# KiCad board KES.kicad_pcb (continued)
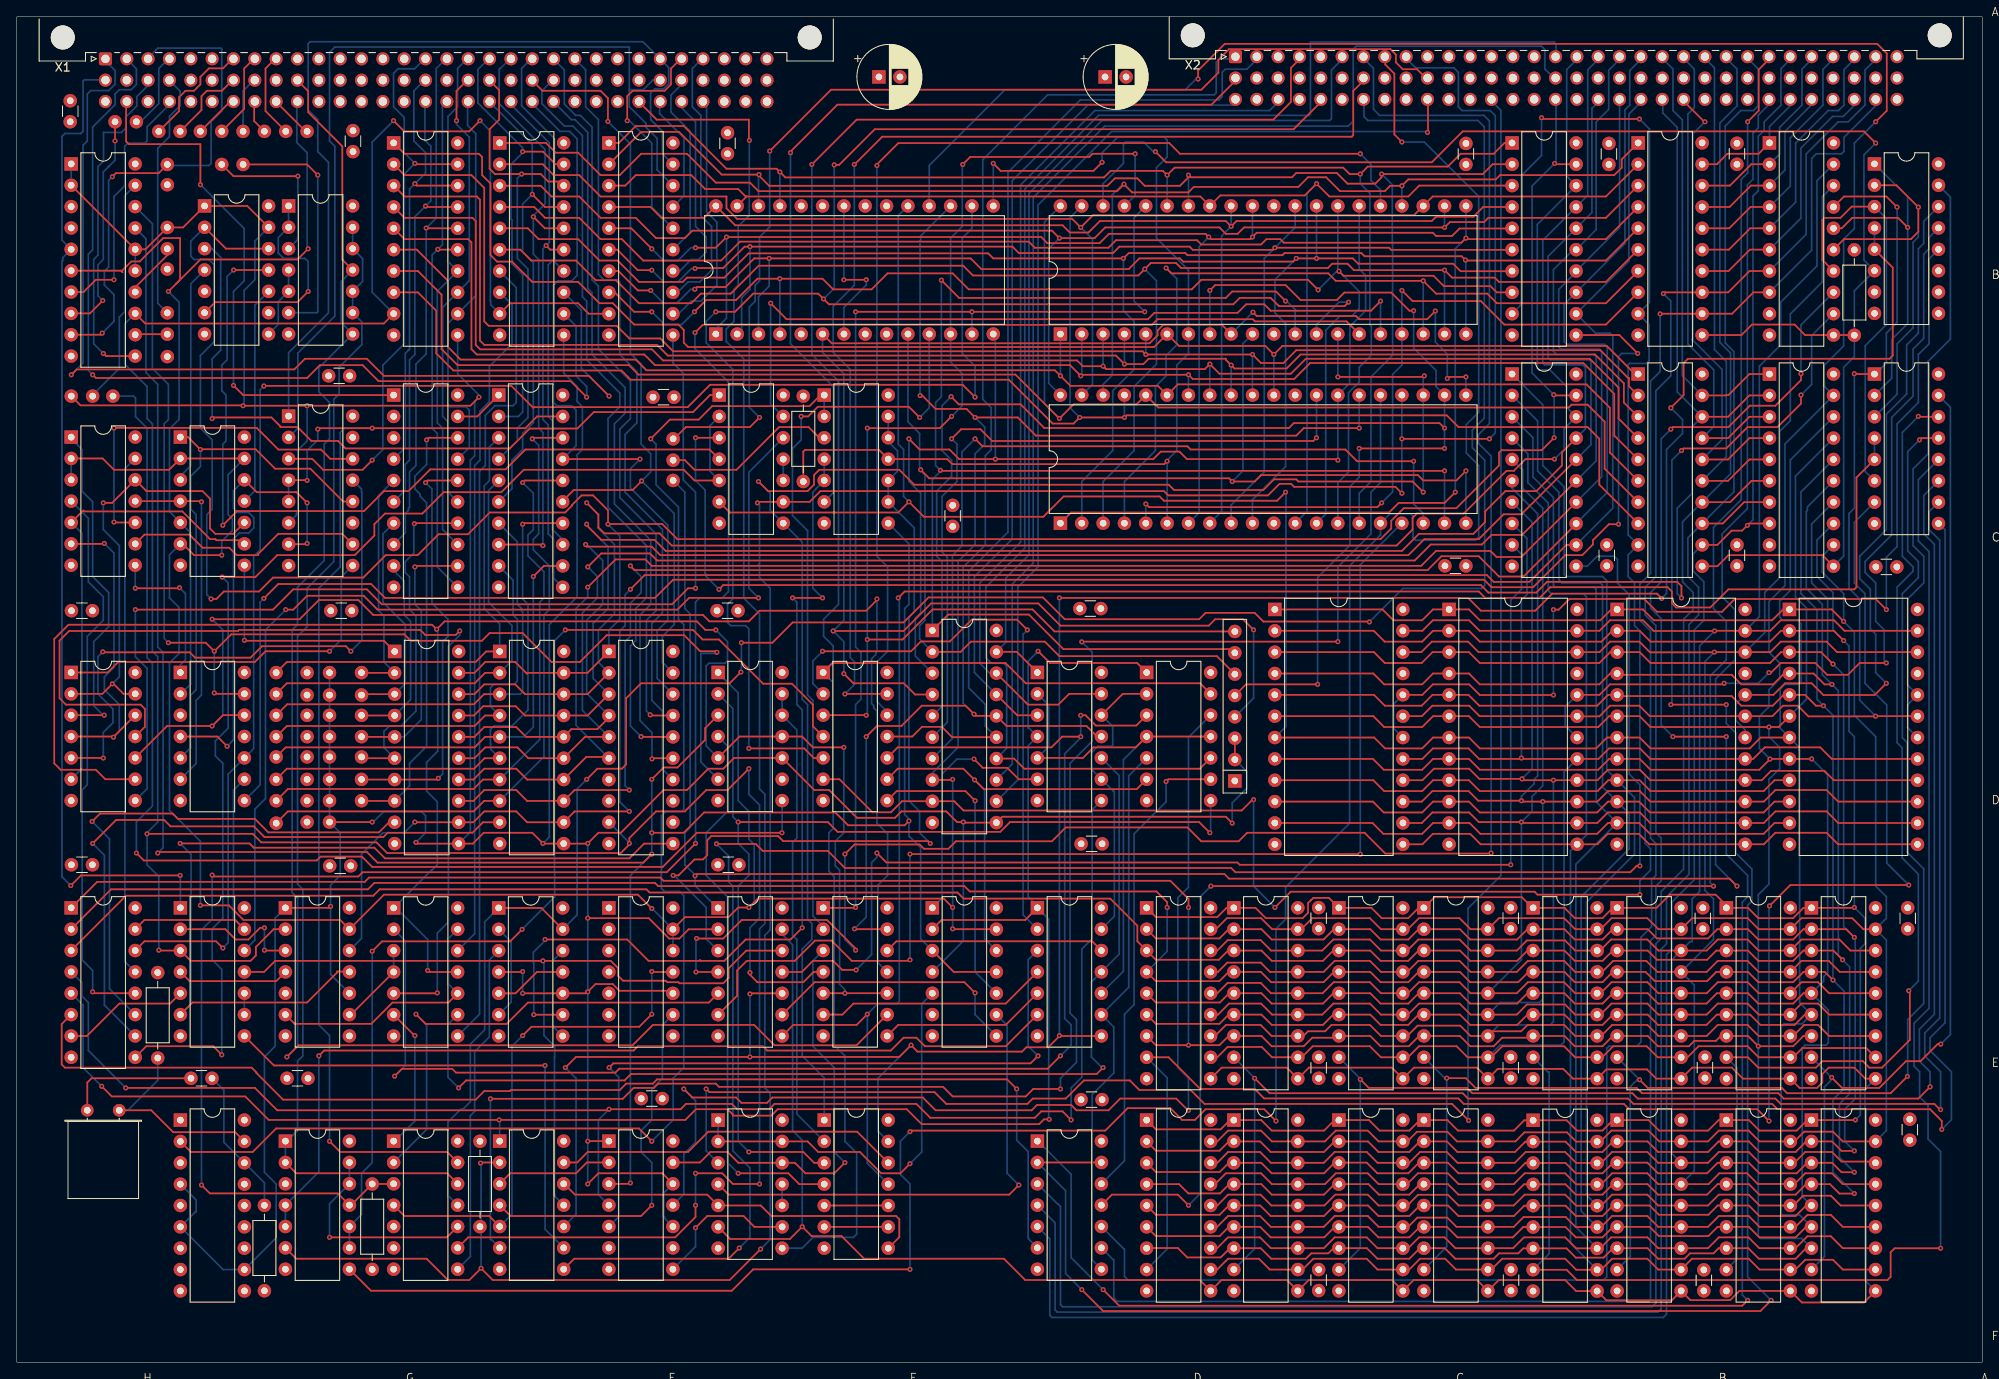
[diagram p0: board, top side]
## Routing (per net, layer and track width the routed paths; a pad name or vN(x,y) marks a point on that pad's centre or on a via; arc(x,y) is an arc through that point) (continued)
  Bottom w0.2: AQBK1.14 213.62,99.71 213.62,92.7 215.53,90.8 215.53,83.69 v1(216.16,83.05) 217.43,81.78 217.43,51.81 v1(218.7,50.54) 218.8,50.44 218.8,31.34 217.56,30.09 217.56,26.28 v1(218.7,25.14)
/2.06: length 326.3
  Top w0.2: 213.09,28.8 211.84,27.55 207.4,27.55 206.15,28.8 ASEI1.1 202.55,28.8 201.3,27.55 195.46,27.55 194.21,28.8 BEEI1.1 ; 166.84,54.05 165.62,52.82 162.44,52.82 161.22,54.05 CGDM1.1 156.16,55.24 154.31,55.24 154.06,54.98 154.05,54.98 153.68,54.61 153.68,53.46 153.04,52.82 148.66,52.82 147.43,54.05 CQDM1.1 143.98,54.05 142.88,52.95 135.57,52.95 DADM1.1 ; CGCI1.2 161.5,87.01 162.8,85.72 167.27,85.72 168.56,87.01 BOCI1.2 172.83,87.01 174.12,85.72 188.6,85.72 189.9,87.01 ; v1(218.83,28.82) 218.81,28.8 AKEI1.1 ; 189.98,28.8 188.73,27.55 185.68,27.55 184.46,28.78 BMEI1.1 179.42,28.78 178.19,27.55 171.52,27.55 170.27,28.8 BWEI1.1 ; 180.39,54.05 179.13,55.31 168.73,55.31 BWDM1.1 ; BMDM1.1 184.2,54.05 185.43,52.82 188.73,52.82 189.96,54.05 ; 156.84,28.8 155.59,27.55 149.36,27.55 148.11,28.8 CQEI1.1 ; v1(217.43,85.84) 216.27,87.01 AGCI1.2 209.96,87.01 208.67,85.72 194.44,85.72 193.15,87.01 AWCI1.2 ; ASDM1.1 206.05,54.05 207.27,52.82 211.42,52.82 212.65,54.05 AKDM1.1 218.66,54.05 v1(218.7,54.09) ; 166.99,28.8 165.74,27.55 162.19,27.55 160.94,28.8 CGEI1.1 ; DAEI1.1 135.57,27.7 143.29,27.7 144.39,28.8 ; BEDM1.1 195.16,54.05 196.73,55.62 202.19,55.62 203.47,54.34
  Bottom w0.2: AQBK1.13 214.26,97.81 214.26,93.46 216.16,91.56 216.16,87.11 v1(217.43,85.84) 218.07,85.21 218.07,75.05 218.7,74.41 v1(218.7,54.09) 219.97,52.82 219.97,49.78 219.41,49.22 219.41,29.41 v1(218.83,28.82)
/2.07: length 316.7
  Top w0.2: CQDM1.17 149.4,51.51 148.09,52.82 144.03,52.82 142.71,51.51 ; 189.77,89.55 188.48,88.26 174.12,88.26 172.83,89.55 BOCI1.1 168.56,89.55 167.27,88.26 163.84,88.26 162.54,89.55 CGCI1.1 ; 152.87,51.51 154.19,52.82 161.04,52.82 162.36,51.51 CGDM1.17 ; 188.5,51.51 189.81,52.82 194.06,52.82 195.38,51.51 BEDM1.17 199.4,52.82 206,52.82 207.32,51.51 ASDM1.17 212.4,52.82 218.45,52.82 219.76,51.51 AKDM1.17 ; BMEI1.17 185.6,26.24 184.5,27.34 179.44,27.34 178.36,26.26 BWEI1.17 171.42,26.26 170.27,27.41 166.65,27.41 165.5,26.26 ; v1(217.43,88.13) 216.01,89.55 AGCI1.1 210.22,89.55 208.92,88.26 194.83,88.26 193.58,89.5 193.58,89.55 AWCI1.1 ; 211.57,26.26 212.73,27.42 216.16,27.42 217.33,26.26 AKEI1.17 ; 165.57,51.51 166.89,52.82 171.71,52.82 173.03,51.51 BWDM1.17 176.4,52.82 184.16,52.82 185.47,51.51 BMDM1.17 ; ASEI1.17 207.42,26.26 206.13,27.55 202.57,27.55 201.28,26.26 BEEI1.17 195.48,26.26 194.19,27.55 189.79,27.55 188.47,26.24 ; CGEI1.17 162.08,26.26 160.79,27.55 156.98,27.55 155.69,26.26 CQEI1.17 149.38,26.26 148.09,27.55 144.17,27.55 142.88,26.26 DAEI1.17
  Bottom w0.2: AKEI1.17 222.51,27.55 222.51,50.22 AKDM1.17 222.51,52.8 222.51,55.36 221.24,56.63 221.24,74.41 218.7,76.95 218.7,86.86 v1(217.43,88.13) 217.43,91.43 214.89,93.97 214.89,95.9 AQBK1.12
/2.08: length 361.4
  Top w0.2: BMEI1.16 185.6,23.7 184.28,25.01 179.59,25.01 178.29,23.72 BWEI1.16 171.48,23.72 170.19,25.01 167.01,25.01 165.72,23.72 CGEI1.16 161.95,23.72 160.66,25.01 156.85,25.01 155.56,23.72 CQEI1.16 149.25,23.72 147.96,25.01 144.17,25.01 142.88,23.72 DAEI1.16 ; ASEI1.16 207.42,23.72 206.13,25.01 202.57,25.01 201.28,23.72 BEEI1.16 195.35,23.72 194.06,25.01 189.87,25.01 188.56,23.7 ; 211.57,23.72 212.86,25.01 216.03,25.01 217.18,23.87 221.07,23.87 ; DADM1.16 142.88,48.97 144.11,50.2 148.04,50.2 149.28,48.97 CQDM1.16 155.38,48.97 156.69,50.28 161.04,50.28 162.36,48.97 CGDM1.16 ; CGCI1.23 167.29,87.01 168.54,88.26 172.85,88.26 174.1,87.01 BOCI1.23 188.37,87.01 189.62,88.26 193.56,88.26 194.83,86.99 v1(202.06,86.99) 202.09,87.01 AWCI1.23 208.69,87.01 209.94,88.26 216.29,88.26 217.54,87.01 AGCI1.23 ; BMDM1.16 185.47,48.97 184.27,50.17 179.73,50.17 178.53,48.97 BWDM1.16 173.03,48.97 171.71,50.28 166.81,50.28 165.5,48.97 ; AKDM1.16 218.24,48.97 216.92,50.28 212.4,50.28 ASDM1.16 207.32,48.97 206,50.28 202.45,50.28 201.13,48.97 BEDM1.16 195.38,48.97 194.06,50.28 189.75,50.28 188.43,48.97
  Bottom w0.2: v1(202.06,86.99) 200.29,85.21 200.29,56 199.4,55.11 199.4,50.03 199.15,50.03 BEDM1.16 196.98,47.87 196.98,24.83 BEEI1.16 ; AWCI1.23 207.4,88.7 207.4,118.48 209.94,121.02 209.94,126.1 214.26,130.42 214.26,140.55 AQAM1.19
/2.09: length 361.4
  Top w0.2: BMEI1.15 185.6,21.16 184.28,22.47 179.46,22.47 178.17,21.18 BWEI1.15 171.61,21.18 170.31,22.47 166.76,22.47 165.47,21.18 ; 165.5,46.43 166.81,47.74 171.71,47.74 173.03,46.43 BWDM1.15 178.53,46.43 179.84,47.74 184.16,47.74 185.47,46.43 BMDM1.15 ; 211.57,21.18 212.86,22.47 216.03,22.47 217.33,21.18 AKEI1.15 ; 188.69,46.43 190,47.74 193.94,47.74 195.25,46.43 BEDM1.15 201.13,46.43 202.45,47.74 206,47.74 207.32,46.43 ASDM1.15 212.4,47.74 215.65,47.74 216.97,46.43 AKDM1.15 ; CGCI1.22 167.16,84.47 168.41,85.72 172.73,85.72 173.97,84.47 BOCI1.22 188.37,84.47 189.62,85.72 193.11,85.72 194.38,84.45 202.02,84.45 v1(202.04,84.47) AWCI1.22 208.69,84.47 209.94,85.72 215.4,85.72 216.65,84.47 AGCI1.22 ; 142.61,21.18 143.9,22.47 148.09,22.47 149.38,21.18 CQEI1.15 155.69,21.18 156.98,22.47 160.79,22.47 162.08,21.18 CGEI1.15 ; DADM1.15 142.97,46.43 144.07,47.53 148.05,47.53 149.15,46.43 CQDM1.15 155.54,46.43 156.85,47.74 161.04,47.74 162.36,46.43 CGDM1.15 ; 188.56,21.16 189.87,22.47 194.06,22.47 195.35,21.18 BEEI1.15 201.35,21.18 202.64,22.47 205.94,22.47 207.21,21.2 211.07,21.2
  Bottom w0.2: v1(202.04,84.47) 200.92,83.35 200.92,56.13 201.94,55.11 201.94,50.28 BEDM1.15 199.65,44.87 199.65,22.74 BEEI1.15 ; AQAM1.18 214.89,138.64 214.89,128.52 211.08,124.71 211.08,112.01 209.81,110.74 209.81,93.34 208.03,91.56 208.03,86.79 AWCI1.22
/2.10: length 138.6
  Top w0.2: AGCI1.19 v1(221.24,76.85) 221.22,76.83 213.24,76.83 211.97,78.1 210.19,78.1 208.95,76.85 AWCI1.19 194.36,76.85 193.11,78.1 189.62,78.1 188.35,76.83 185.73,76.83 ; CGCI1.19 167.23,76.85 168.47,78.1 172.85,78.1 174.1,76.85 BOCI1.19 ; AQAM1.17 217.47,138.68 222.51,138.68 v1(223.78,137.41) ; AEBK1.1 218.75,117.55 v1(218.7,117.59)
  Bottom w0.2: v1(223.78,137.41) 223.78,123.69 222.51,122.42 222.51,118.86 221.2,117.55 ; v1(218.7,117.59) 218.7,101.59 218.07,100.96 218.07,92.07 219.34,90.8 219.34,78.76 v1(221.24,76.85)
/3.00: length 260
  Top w0.2: BMEI1.14 185.6,18.62 184.28,19.93 179.46,19.93 178.17,18.64 BWEI1.14 171.61,18.64 170.33,19.92 166.77,19.92 165.5,18.64 ; AKEI1.14 217.07,18.64 215.91,19.8 212.61,19.8 211.44,18.64 ; AGCI1.9 209.2,69.23 207.91,67.94 194.44,67.94 193.15,69.23 AWCI1.9 189.42,69.23 188.13,67.94 174.12,67.94 172.83,69.23 BOCI1.9 168.56,69.23 167.27,67.94 162.75,67.94 161.45,69.23 CGCI1.9 ; 188.56,18.62 189.87,19.93 194.06,19.93 195.35,18.64 BEEI1.14 201.28,18.64 202.57,19.93 206.13,19.93 207.42,18.64 ASEI1.14 ; DAEI1.14 142.88,18.64 144.17,19.93 148.03,19.93 149.32,18.64 CQEI1.14 155.63,18.64 156.92,19.93 160.79,19.93 162.08,18.64 CGEI1.14
  Bottom w0.2: BMEI1.14 186.82,19.88 186.82,54.73 192.54,60.44 192.54,67.16 AWCI1.9 189.24,70.46 189.24,92.96 188.73,93.46 184.41,93.46 184.16,93.72 184.16,104.13 181.62,106.67 181.62,113.9 BOBK1.1
/3.01: length 259.8
  Top w0.2: CGEI1.13 162.08,16.1 160.79,17.39 156.85,17.39 155.56,16.1 CQEI1.13 149.25,16.1 147.96,17.39 144.17,17.39 143.92,17.14 143.9,17.14 142.86,16.1 DAEI1.13 ; AGCI1.10 209.2,66.69 207.91,65.4 194.38,65.4 193.09,66.69 AWCI1.10 189.39,66.69 188.09,65.4 174.12,65.4 172.83,66.69 BOCI1.10 168.56,66.69 167.27,65.4 162.69,65.4 161.4,66.69 CGCI1.10 ; AKEI1.13 217.33,16.1 215.91,17.52 213.11,17.52 211.7,16.1 ; ASEI1.13 207.42,16.1 206.13,17.39 202.57,17.39 201.28,16.1 BEEI1.13 195.35,16.1 194.06,17.39 189.87,17.39 188.56,16.08 ; 165.59,16.1 166.69,17.2 170.25,17.2 171.35,16.1 BWEI1.13 178.17,16.1 179.33,17.26 184.35,17.26 185.53,16.08 BMEI1.13
  Bottom w0.2: BOBK1.2 181.01,111.97 181.01,106.01 183.55,103.47 183.55,93.06 183.9,92.7 188.48,92.7 188.73,92.45 188.73,68.43 AWCI1.10 191.91,65.26 191.91,61.08 186.19,55.36 186.19,17.98 BMEI1.13
/3.02: length 259.5
  Top w0.2: 211.7,13.56 213.11,14.98 215.91,14.98 217.33,13.56 AKEI1.12 ; DAEI1.12 142.86,13.56 143.9,14.6 143.92,14.6 144.17,14.85 147.96,14.85 149.25,13.56 CQEI1.12 155.56,13.56 156.85,14.85 160.66,14.85 161.95,13.56 CGEI1.12 ; AGCI1.11 209.2,64.15 207.91,62.86 194.38,62.86 193.09,64.15 AWCI1.11 189.39,64.15 188.09,62.86 174.19,62.86 172.9,64.15 BOCI1.11 168.56,64.15 167.27,62.86 162.64,62.86 161.35,64.15 CGCI1.11 ; 188.43,13.54 189.75,14.85 194.06,14.85 195.35,13.56 BEEI1.12 201.28,13.56 202.57,14.85 206.1,14.85 207.39,13.56 ASEI1.12 ; 165.59,13.56 166.89,14.85 169.93,14.85 171.22,13.56 BWEI1.12 178.09,13.56 179.38,14.85 184.28,14.85 185.6,13.54 BMEI1.12
  Bottom w0.2: BMEI1.12 185.56,16.07 185.56,59.24 AWCI1.11 187.97,66.65 187.97,91.94 187.71,92.19 183.14,92.19 182.89,92.45 182.89,102.86 180.45,105.3 180.45,109.99 BOBK1.3
/3.03: length 255.9
  Top w0.2: CQEI1.11 149.13,11.02 147.84,12.31 144.17,12.31 143.92,12.06 143.9,12.06 142.86,11.02 DAEI1.11 ; 153.02,11.02 154.31,12.31 160.66,12.31 161.95,11.02 CGEI1.11 165.72,11.02 167.01,12.31 170,12.31 171.29,11.02 BWEI1.11 ; CGCI1.13 167.29,61.61 168.54,62.86 172.98,62.86 174.23,61.61 BOCI1.13 188.12,61.61 189.37,62.86 193.05,62.86 194.29,61.61 AWCI1.13 207.93,61.61 209.3,62.98 215.4,62.98 216.77,61.61 AGCI1.13 ; AKEI1.11 217.33,11.02 216.16,12.18 212.86,12.18 211.7,11.02 ; ASEI1.11 207.42,11.02 206.13,12.31 199.38,12.31 BEEI1.11 195.35,11.02 194.06,12.31 189.87,12.31 188.56,11 ; 175.5,11.02 176.79,12.31 184.28,12.31 185.6,11 BMEI1.11
  Bottom w0.2: BMEI1.11 184.92,14.17 184.92,60.82 BOCI1.13 186.81,62.71 186.81,91.07 186.44,91.43 182.63,91.43 182.28,91.79 182.28,102.2 179.84,104.64 179.84,108.06 BOBK1.4
/3.04: length 217.8
  Top w0.2: AKDM1.14 215.7,43.89 214.38,45.2 212.4,45.2 ASDM1.14 207.32,43.89 206,45.2 202.45,45.2 201.13,43.89 BEDM1.14 195.38,43.89 194.06,45.2 189.81,45.2 188.5,43.89 ; 165.57,43.89 166.89,45.2 171.71,45.2 173.03,43.89 BWDM1.14 178.53,43.89 179.84,45.2 184.16,45.2 185.47,43.89 BMDM1.14 ; CGCI1.14 167.23,64.15 168.47,65.4 172.85,65.4 174,64.25 v1(179.08,64.25) 179.18,64.15 BOCI1.14 188.12,64.15 189.37,65.4 193.18,65.4 194.42,64.15 AWCI1.14 207.93,64.15 209.3,65.52 215.4,65.52 216.77,64.15 AGCI1.14 ; DADM1.14 142.88,43.89 144.11,45.12 148.04,45.12 149.28,43.89 CQDM1.14 155.41,43.89 156.73,45.2 161.04,45.2 162.36,43.89 CGDM1.14
  Bottom w0.2: BOBK1.5 179.23,106.13 179.23,103.98 181.62,101.59 181.62,68.57 180.35,67.3 180.35,65.52 v1(179.08,64.25) 179.08,47.88 BWDM1.14
/3.05: length 221
  Top w0.2: 165.57,41.35 166.89,42.66 171.71,42.66 173.03,41.35 BWDM1.13 178.53,41.35 179.73,42.55 184.27,42.55 185.47,41.35 BMDM1.13 ; DADM1.13 142.97,41.35 144.28,42.66 148.09,42.66 149.4,41.35 CQDM1.13 155.38,41.35 156.69,42.66 161.04,42.66 162.36,41.35 CGDM1.13 ; CGCI1.15 167.23,66.69 168.47,67.94 172.79,67.94 173.93,66.79 v1(179.08,66.79) 179.18,66.69 v1(181.62,66.69) BOCI1.15 188.12,66.69 189.37,67.94 193.18,67.94 194.42,66.69 AWCI1.15 207.93,66.69 209.3,68.06 215.4,68.06 216.77,66.69 AGCI1.15 ; 188.49,41.35 189.8,42.66 194.06,42.66 195.38,41.35 BEDM1.13 201.13,41.35 202.45,42.66 206,42.66 207.32,41.35 ASDM1.13 212.4,42.66 214.38,42.66 215.7,41.35 AKDM1.13
  Bottom w0.2: BWDM1.13 176.53,42.79 181.24,42.79 181.62,43.17 v1(181.62,66.69) ; v1(179.08,66.79) 179.08,67.3 180.6,68.83 180.6,69.33 181.01,69.74 181.01,100.93 177.97,103.97 BOBK1.6
/3.06: length 220.2
  Top w0.2: 188.56,38.81 189.87,40.12 194.06,40.12 195.38,38.81 BEDM1.12 201.13,38.81 202.45,40.12 206,40.12 207.32,38.81 ASDM1.12 ; 211.42,38.81 212.73,40.12 214.38,40.12 215.7,38.81 AKDM1.12 ; AGCI1.16 216.27,69.23 215.15,70.35 208.8,70.35 207.68,69.23 AWCI1.16 194.47,69.23 194.44,69.21 193.18,70.48 189.37,70.48 188.12,69.23 BOCI1.16 v1(182.89,69.23) 179.31,69.23 v1(179.14,69.4) 174.06,69.4 172.85,70.6 168.66,70.6 167.29,69.23 CGCI1.16 ; BMDM1.12 185.47,38.81 184.16,40.12 179.81,40.12 179.05,39.36 175.64,39.36 BWDM1.12 173.03,38.81 171.8,40.04 166.72,40.04 165.5,38.81 ; CGDM1.12 162.36,38.81 161.04,40.12 156.47,40.12 155.71,39.36 153.68,39.36 153.13,38.81 ; CQDM1.12 149.35,38.81 148.04,40.12 143.92,40.12 142.6,38.81
  Bottom w0.2: BOBK1.7 180.35,99.93 180.35,70.6 v1(179.14,69.4) ; BWDM1.12 176.4,40.12 182.51,40.12 182.89,40.51 v1(182.89,69.23)
/3.07: length 221.6
  Top w0.2: 211.42,36.27 212.52,37.37 220.12,37.37 AKDM1.11 ; CQDM1.11 149.4,36.27 148.17,37.5 144.11,37.5 142.88,36.27 DADM1.11 ; AGCI1.17 216.01,71.77 214.64,73.14 208.03,73.14 206.66,71.77 AWCI1.17 194.42,71.77 193.18,73.02 189.49,73.02 188.25,71.77 BOCI1.17 174.04,71.77 172.79,73.02 168.54,73.02 167.29,71.77 CGCI1.17 ; 152.93,36.27 154.24,37.58 161.04,37.58 162.36,36.27 CGDM1.11 ; 188.69,36.27 190,37.58 193.99,37.58 195.3,36.27 BEDM1.11 198.85,36.27 200.16,37.58 206,37.58 207.32,36.27 ASDM1.11 ; BWDM1.11 172.68,36.27 171.36,37.58 166.89,37.58 165.57,36.27 ; 175.48,36.27 176.79,37.58 184.16,37.58 185.47,36.27 BMDM1.11
  Bottom w0.2: BWDM1.11 176.53,37.71 183.78,37.71 184.16,38.09 184.16,70.22 BOCI1.17 ; BOBK1.8 179.74,98 179.74,91.33 179.08,90.67 v1(179.08,71.87)
/A12: length 47.3
  Top w0.2: AEAO1.2 223.72,140.01 v1(226.32,137.41) 226.32,134.49 225.43,133.6 217.47,133.6 AQAM1.15
  Bottom w0.2: v1(226.32,137.41) 226.32,133.85 225.69,133.22 225.69,123.06 223.78,121.15 223.78,115.15 AEBK1.3
/A13: length 48.2
  Top w0.2: AQAM1.14 214.89,131.14 214.89,135.88 215.15,136.14 217.05,136.14 218.39,137.47 AEAO1.3
  Bottom w0.2: AEAO1.3 222.18,136.39 222.19,136.39 222.51,136.07 222.51,123.44 220,120.92 220,105.95 AEBK1.6
/Blatt 2/6.00: length 173.2
  Top w0.2: FWAM1.1 46.14,143.76 55,143.76 55.38,143.38 55.38,141.22 56.37,140.23 56.37,131.72 57.16,130.93 58.94,130.93 61.35,128.52 66.81,128.52 69.35,125.98 70.94,125.98 73.48,123.44 78.75,123.44 79.38,122.8 79.38,121.28 79.89,120.77 135.37,120.77 CAAS1.6 138.32,120.9 148.6,120.9 v1(149.61,119.88) 150.63,120.9 189.24,120.9 192.58,117.55
  Bottom w0.2: CABM1.30 149.61,119.88 v1(149.61,119.88)
/Blatt 2/6.01: length 177.9
  Top w0.2: FWAM1.2 46.14,141.22 54.11,141.22 55.63,139.69 55.63,123.82 56.16,123.29 71.4,123.29 72.91,121.79 76.59,121.79 78.11,120.26 133.99,120.26 v1(134.37,119.88) 147.07,119.88 v1(147.07,119.88) 148.08,118.86 150.76,118.86 152.28,120.39 188.48,120.39 191.78,117.09 191.87,117.09 191.87,116.11 BCBK1.2
  Bottom w0.2: CAAS1.5 v1(134.37,119.88) ; CABM1.31 v1(147.07,119.88)
/Blatt 2/6.02: length 179.8
  Top w0.2: FWAM1.3 46.14,138.68 54.75,138.68 55.13,138.3 55.13,121.53 55.63,121.02 76.21,121.02 77.48,119.75 130.82,119.75 v1(131.83,118.74) 134.08,118.74 134.71,119.37 143.9,119.37 143.9,119.25 v1(144.53,118.61) 144.93,118.21 151.12,118.21 152.79,119.88 187.84,119.88 191.27,116.45 191.27,114.17 192.03,113.4 192.04,113.4 BCBK1.3
  Bottom w0.2: CABM1.32 144.53,118.61 v1(144.53,118.61) ; v1(131.83,118.74) 131.83,118.74 CAAS1.4
/Blatt 2/6.03: length 179.8
  Top w0.2: BCBK1.4 190.63,112.27 190.63,115.94 187.21,119.37 153.42,119.37 151.65,117.59 143.14,117.59 v1(141.99,118.74) 141.39,118.14 129.64,118.14 v1(129.29,118.48) 126.88,118.48 126.2,119.17 76.92,119.17 75.6,120.49 55.15,120.49 54.62,121.02 54.62,135.76 54.24,136.14 46.14,136.14 FWAM1.4
  Bottom w0.2: CABM1.33 141.99,118.73 v1(141.99,118.74) ; CAAS1.3 129.29,118.49 v1(129.29,118.48)
/Blatt 2/6.04: length 179
  Top w0.2: BCBK1.5 190.13,110.23 190.13,110.23 190.13,115.18 186.44,118.86 153.93,118.86 152.03,116.96 139.96,116.96 v1(139.45,117.47) 126.75,117.47 v1(126.63,117.34) 125.36,118.61 75.95,118.61 74.68,119.88 54.75,119.88 54.11,120.52 54.11,133.22 53.73,133.6 46.14,133.6 FWAM1.5
  Bottom w0.2: CAAS1.2 126.75,117.46 v1(126.63,117.34) ; CABM1.34 139.45,117.46 v1(139.45,117.47)
/Blatt 2/6.05: length 173.3
  Top w0.2: FWAM1.6 47.61,132.35 51.32,128.64 51.32,120.77 52.81,119.27 73.67,119.27 74.94,118 123.55,118 v1(124.21,117.34) 125.4,116.15 135.81,116.15 CABM1.35 138.18,116.32 186.82,116.32 189.62,113.53 189.62,108.2 189.62,108.2 BCBK1.6
  Bottom w0.2: v1(124.21,117.34) 124.21,117.34 CAAS1.1
/Blatt 2/6.06: length 196
  Top w0.2: FWAM1.7 47.74,129.81 50.55,126.99 50.55,120.52 52.46,118.61 72.86,118.61 73.97,117.49 118.85,117.49 v1(124.09,112.26) 125.78,113.95 133.27,113.95 CABM1.36 135.85,113.57 184.71,113.57 185.05,113.91 185.05,113.91 186.95,113.91 188.98,111.88 188.98,106.29 188.99,106.29 BCBK1.7
  Bottom w0.2: CAAS1.40 122.31,135.65 122.31,114.04 v1(124.09,112.26)
/Blatt 2/6.07: length 195.4
  Top w0.2: FWAM1.8 47.74,127.27 49.92,125.09 49.92,120.02 51.96,117.98 71.97,117.98 73.06,116.88 118.07,116.88 123.29,111.66 125.77,111.66 v1(126.5,112.39) v1(131.83,112.39) 132.09,112.64 170.19,112.64 171.59,111.24 186.95,111.24 188.35,109.85 188.35,104.39 BCBK1.8
  Bottom w0.2: v1(131.83,112.39) 131.83,112.39 CABM1.37 ; CAAS1.39 125.36,136.16 125.36,113.53 v1(126.5,112.39)
/Blatt 2/6.08: length 173.7
  Top w0.2: BCAM1.1 191.02,143.1 191.02,142.11 190.13,141.22 176.54,141.22 176.03,140.71 165.61,140.71 v1(164.85,139.95) 163.46,139.95 162.82,139.31 157.49,139.31 155.84,140.96 153.68,140.96 152.53,139.82 140.09,139.82 139.44,139.17 132.74,139.17 v1(131.77,140.14) 130.94,139.31 88.27,139.31 87.26,140.33 83.19,140.33 79.76,143.76 74.3,143.76 71.76,141.22 69.48,141.22 66.81,143.88 64.14,143.88 62.98,145.05 FMAM1.1
  Bottom w0.2: CAAS1.24 v1(164.85,139.95) ; CABM1.38 129.29,116.32 130.39,117.42 130.39,138.88 131.71,140.2
/Blatt 2/6.09: length 163.6
  Top w0.2: BCAM1.2 189.14,138.68 168.52,138.68 CAAS1.23 166.29,136.45 128.08,136.45 v1(126.63,134.99) 125.61,136.01 85.73,136.01 84.46,137.27 84.46,138.68 69.48,138.68 66.94,141.22 63.89,141.22 62.59,142.51 FMAM1.2
  Bottom w0.2: v1(126.63,134.99) 128.02,133.6 128.02,116.32 CABM1.39
/Blatt 2/6.10: length 164.3
  Top w0.2: BCAM1.3 189.14,136.14 175.14,136.14 174.63,135.63 170.57,135.63 v1(169.93,134.99) 146.06,134.99 145.3,134.23 143.9,134.23 143.14,134.99 129.55,134.99 128.28,133.72 v1(124.09,133.72) 123.2,134.61 80.4,134.61 79.51,133.72 76.08,133.72 73.67,136.14 69.48,136.14 66.94,138.68 63.64,138.68 62.36,139.95 57.49,139.95
  Bottom w0.2: v1(169.93,134.99) 169.93,135 CAAS1.22 ; CABM1.40 122.82,116.44 122.82,132.45 v1(124.09,133.72)
/Blatt 2/6.11: length 225.4
  Top w0.2: BCAM1.4 189.14,133.6 172.6,133.6 v1(172.47,133.72) 171.93,133.18 150.79,133.18 150.38,133.6 148.72,133.6 148.09,132.96 140.98,132.96 140.47,133.47 130.82,133.47 129.93,132.58 121.17,132.58 120.44,133.31 86.08,133.31 83.83,131.06 74.56,131.06 72.02,133.6 69.48,133.6 66.94,136.14 62.87,136.14 61.58,137.43 FMAM1.4 ; CABM1.1 125.48,101.08 163.33,101.08 164.47,102.23 169.93,102.23 v1(171.2,103.5)
  Bottom w0.2: v1(171.2,103.5) 171.2,132.45 v1(172.47,133.72) 172.47,133.73 CAAS1.21
/Blatt 2/6.12: length 185.7
  Top w0.2: FMAM1.5 60.82,134.89 62.11,133.6 66.81,133.6 69.35,131.06 71.51,131.06 74.05,128.52 79.26,128.52 79.76,129.02 84.21,129.02 87.09,131.91 115.61,131.91 116.21,131.31 v1(131.71,131.31) 132.34,131.95 139.07,131.95 139.33,131.69 150.63,131.69 150.88,131.95 160.03,131.95 160.41,131.56 171.97,131.56 v1(172.41,131.12) 172.47,131.06 189.14,131.06 BCAM1.5
  Bottom w0.2: v1(131.71,131.31) 131.71,125.09 132.98,123.82 132.98,118.1 130.44,115.56 130.44,108.45 126.75,104.76 CABM1.2 ; CAAS1.20 172.47,131.06 v1(172.41,131.12)
/Blatt 2/6.13: length 185.1
  Top w0.2: FMAM1.6 59.93,132.35 61.22,131.06 66.56,131.06 68.9,128.71 71.31,128.71 74.05,125.98 80.27,125.98 81.41,127.12 84.97,127.12 88.29,130.44 112.64,130.44 113.8,129.28 133.48,129.28 v1(134.25,130.04) 134.97,130.77 137.97,130.77 138.56,130.17 156.05,130.17 156.56,130.68 158.38,130.68 159.14,129.91 v1(169.93,129.91) 170.82,129.02 175.9,129.02 176.41,128.52 189.14,128.52 BCAM1.6
  Bottom w0.2: v1(134.25,130.04) 135.64,128.64 135.64,118.74 132.98,116.07 132.98,108.45 129.29,104.76 CABM1.3 ; CAAS1.19 v1(169.93,129.91)
/Blatt 2/6.14: length 99.3
  Top w0.2: BCAM1.7 189.14,125.98 176.16,125.98 175.01,127.12 168.92,127.12 v1(167.39,128.64) 156.98,128.64 156.09,129.53 137.42,129.53 v1(136.79,130.17)
  Bottom w0.2: CABM1.4 131.83,104.76 135.52,108.45 135.52,116.07 136.79,117.34 136.79,119.75 138.06,121.02 138.06,128.9 v1(136.79,130.17) ; v1(167.39,128.64) 167.39,128.64 CAAS1.18
/Blatt 2/6.15: length 88.4
  Top w0.2: BCAM1.8 189.14,123.44 177.05,123.44 174.25,126.23 166.12,126.23 v1(164.85,127.5) ; v1(162.44,102.23) 161.93,101.72 134.75,101.72 v1(134.37,102.1)
  Bottom w0.2: CABM1.5 134.37,102.1 v1(134.37,102.1) ; v1(162.44,102.23) 163.75,103.54 163.75,117.51 164.85,118.61 CAAS1.17 164.85,127.5 v1(164.85,127.5)
/Blatt 2/7.00: length 165.2
  Top w0.2: BOAM1.1 177.07,145.05 175.78,143.76 171.84,143.76 170.31,142.23 160.79,142.23 v1(159.9,141.34) 158.63,141.34 157.87,142.11 137.8,142.11 v1(136.91,141.22) 136.41,141.72 130.18,141.72 129.4,140.94 91.47,140.94 v1(90.82,141.59) 90.43,141.98 84.46,141.98 79.38,147.06 73.67,147.06 71.66,145.05 FCAM1.1
  Bottom w0.2: DUAS1.25 v1(90.82,141.59) ; CAAS1.35 136.91,141.35 ; v1(159.9,141.34) 159.9,140.2 161.04,139.06 161.04,123.44 161.21,123.27 161.21,119.79 159.77,118.36 159.77,116.58 159.39,116.2 159.36,116.2 158.5,115.34 158.5,105.91 157.23,104.64 CABM1.14
/Blatt 2/7.01: length 166.4
  Top w0.2: BOAM1.2 175.65,142.51 174.49,141.34 v1(162.44,141.34) 162.44,140.96 161.68,140.2 158.38,140.2 157.11,141.47 152.28,141.47 151.77,140.96 139.7,140.96 v1(139.45,141.22) 139.45,140.96 138.44,139.95 134.25,139.95 133.36,140.84 130.69,140.84 129.8,139.95 89.54,139.95 88.27,141.22 ; v1(88.34,141.28) 83.89,141.28 78.81,146.36 74.32,146.36 FCAM1.2
  Bottom w0.2: v1(88.34,141.28) 88.28,141.22 DUAS1.26 ; CAAS1.34 v1(139.45,141.22) ; v1(162.44,141.34) 163.71,140.07 163.71,133.09 163.75,133.05 163.75,119.79 161.17,117.21 161.17,104.77 159.77,103.37 CABM1.15
/Blatt 2/7.02: length 154.8
  Top w0.2: 86.87,138.68 DUAS1.27 ; 86.87,138.68 86.75,138.68 85.86,139.57 81.92,139.57 80.27,141.22 73.67,141.22 72.42,139.97 FCAM1.3 ; 86.87,138.68 140.86,138.68 CAAS1.33 143.24,138.8 153.3,138.8 v1(154.69,140.2) 156.22,138.68 165.62,138.68 166.91,139.97 BOAM1.3
  Bottom w0.2: CABM1.12 153.55,101.21 153.55,139.06 v1(154.69,140.2)
/Blatt 2/7.03: length 150.5
  Top w0.2: FCAM1.4 75.42,137.43 76.72,136.14 81.79,136.14 DUAS1.28 85.5,135.25 124.47,135.25 125.32,134.39 127.55,134.39 128.91,135.76 143.9,135.76 v1(144.53,135.12) 145.17,135.76 168.41,135.76 168.92,136.26 173.36,136.26 174.53,137.43 BOAM1.4
  Bottom w0.2: CABM1.8 143.39,101.21 143.39,133.98 v1(144.53,135.12) 144.53,135.12 CAAS1.32
/Blatt 2/7.04: length 162.3
  Top w0.2: v1(75.57,132.45) 73.14,134.89 FCAM1.5 ; v1(80.78,132.58) 83.19,132.58 v1(84.46,133.85) 121.93,133.85 122.66,133.12 128.88,133.12 129.98,134.23 141.49,134.23 v1(141.87,133.85) 142.12,133.6 146.81,133.6 v1(147.07,133.85) 147.57,134.36 168.54,134.36 168.92,133.98 170.82,133.98 171.71,134.87 177.95,134.87
  Bottom w0.2: 83.2,122.94 84.46,124.2 v1(84.46,133.85) ; CABM1.7 140.72,101.08 140.72,132.71 v1(141.87,133.85) ; v1(75.57,132.45) 76.97,131.06 78.7,131.06 80.22,132.58 v1(80.78,132.58) ; CAAS1.31 v1(147.07,133.85)
/Blatt 2/7.05: length 163.7
  Top w0.2: 177.95,132.33 163.58,132.33 163.33,132.58 v1(149.74,132.58) 149.49,132.33 139.96,132.33 139.58,132.71 131.23,132.71 130.47,131.95 119.26,131.95 118.5,132.71 v1(87.26,132.71) 86.62,132.71 84.08,130.17 80.78,130.17 v1(80.72,130.1) ; FCAM1.6 71.46,132.35 73.9,129.91 v1(75.57,129.91)
  Bottom w0.2: DUAS1.2 86.27,122.84 86.27,126.64 87.26,127.63 v1(87.26,132.71) ; v1(80.72,130.1) 80.28,130.1 78.7,128.52 76.97,128.52 v1(75.57,129.91) ; CABM1.9 144.53,101.97 148.47,105.91 148.47,131.31 v1(149.74,132.58) 152.15,134.99 152.15,135 CAAS1.29
/Blatt 2/7.06: length 163.7
  Top w0.2: v1(80.69,127.64) 80.95,127.9 84.35,127.9 87.76,131.31 v1(89.54,131.31) 113.53,131.31 114.8,130.04 132.34,130.04 133.61,131.31 138.44,131.31 138.82,130.93 151.9,130.93 v1(152.28,131.31) v1(154.69,131.31) 159.01,131.31 159.65,130.68 170.95,130.68 171.84,129.79 177.95,129.79 ; v1(75.45,127.5) 73.91,127.5 71.6,129.81 FCAM1.7
  Bottom w0.2: CABM1.10 147.07,102.6 151.01,106.55 151.01,123.56 149.74,124.83 149.74,128.77 v1(152.28,131.31) ; v1(89.54,131.31) 89.54,128.01 88.28,126.75 DUAS1.3 ; v1(80.69,127.64) 80.21,127.64 78.54,125.98 76.97,125.98 v1(75.45,127.5) ; v1(154.69,131.31) 154.69,131.31 CAAS1.28
/Blatt 2/7.07: length 163.9
  Top w0.2: v1(154.88,127.56) 153.68,128.77 140.98,128.77 139.84,127.63 113.29,127.63 111.39,129.53 103.64,129.53 101.73,127.63 97.16,127.63 95.89,128.9 v1(90.81,128.9) 88.15,128.9 85.61,126.36 82.05,126.36 v1(80.65,124.96) ; v1(75.57,124.96) 73.47,124.96 71.16,127.27 ; v1(157.36,129.79) 157.9,129.24 168.62,129.24 169.85,128.01 175.4,128.01 176.13,127.27 BOAM1.8
  Bottom w0.2: v1(80.65,124.96) 79.13,123.44 77.1,123.44 v1(75.57,124.96) ; v1(154.88,127.56) 157.23,129.91 157.23,129.92 ; CAAS1.27 157.23,129.92 ; 157.23,129.92 v1(157.36,129.79) 159.77,127.37 159.77,125.34 158.88,124.45 157.49,124.45 155.79,122.75 155.79,100.91 CABM1.13 ; v1(90.81,128.9) 90.82,128.89 DUAS1.4
/Blatt 2/8.01: length 28.3
  Top w0.2: FWCM1.2 41.05,82.01
  Bottom w0.2: FWBM1.5 43.06,103.1 43.06,89.4 43.7,88.77 43.7,83.28 FWCM1.2
